# KiCad board 4servoboard-4x4.kicad_pcb (continued)
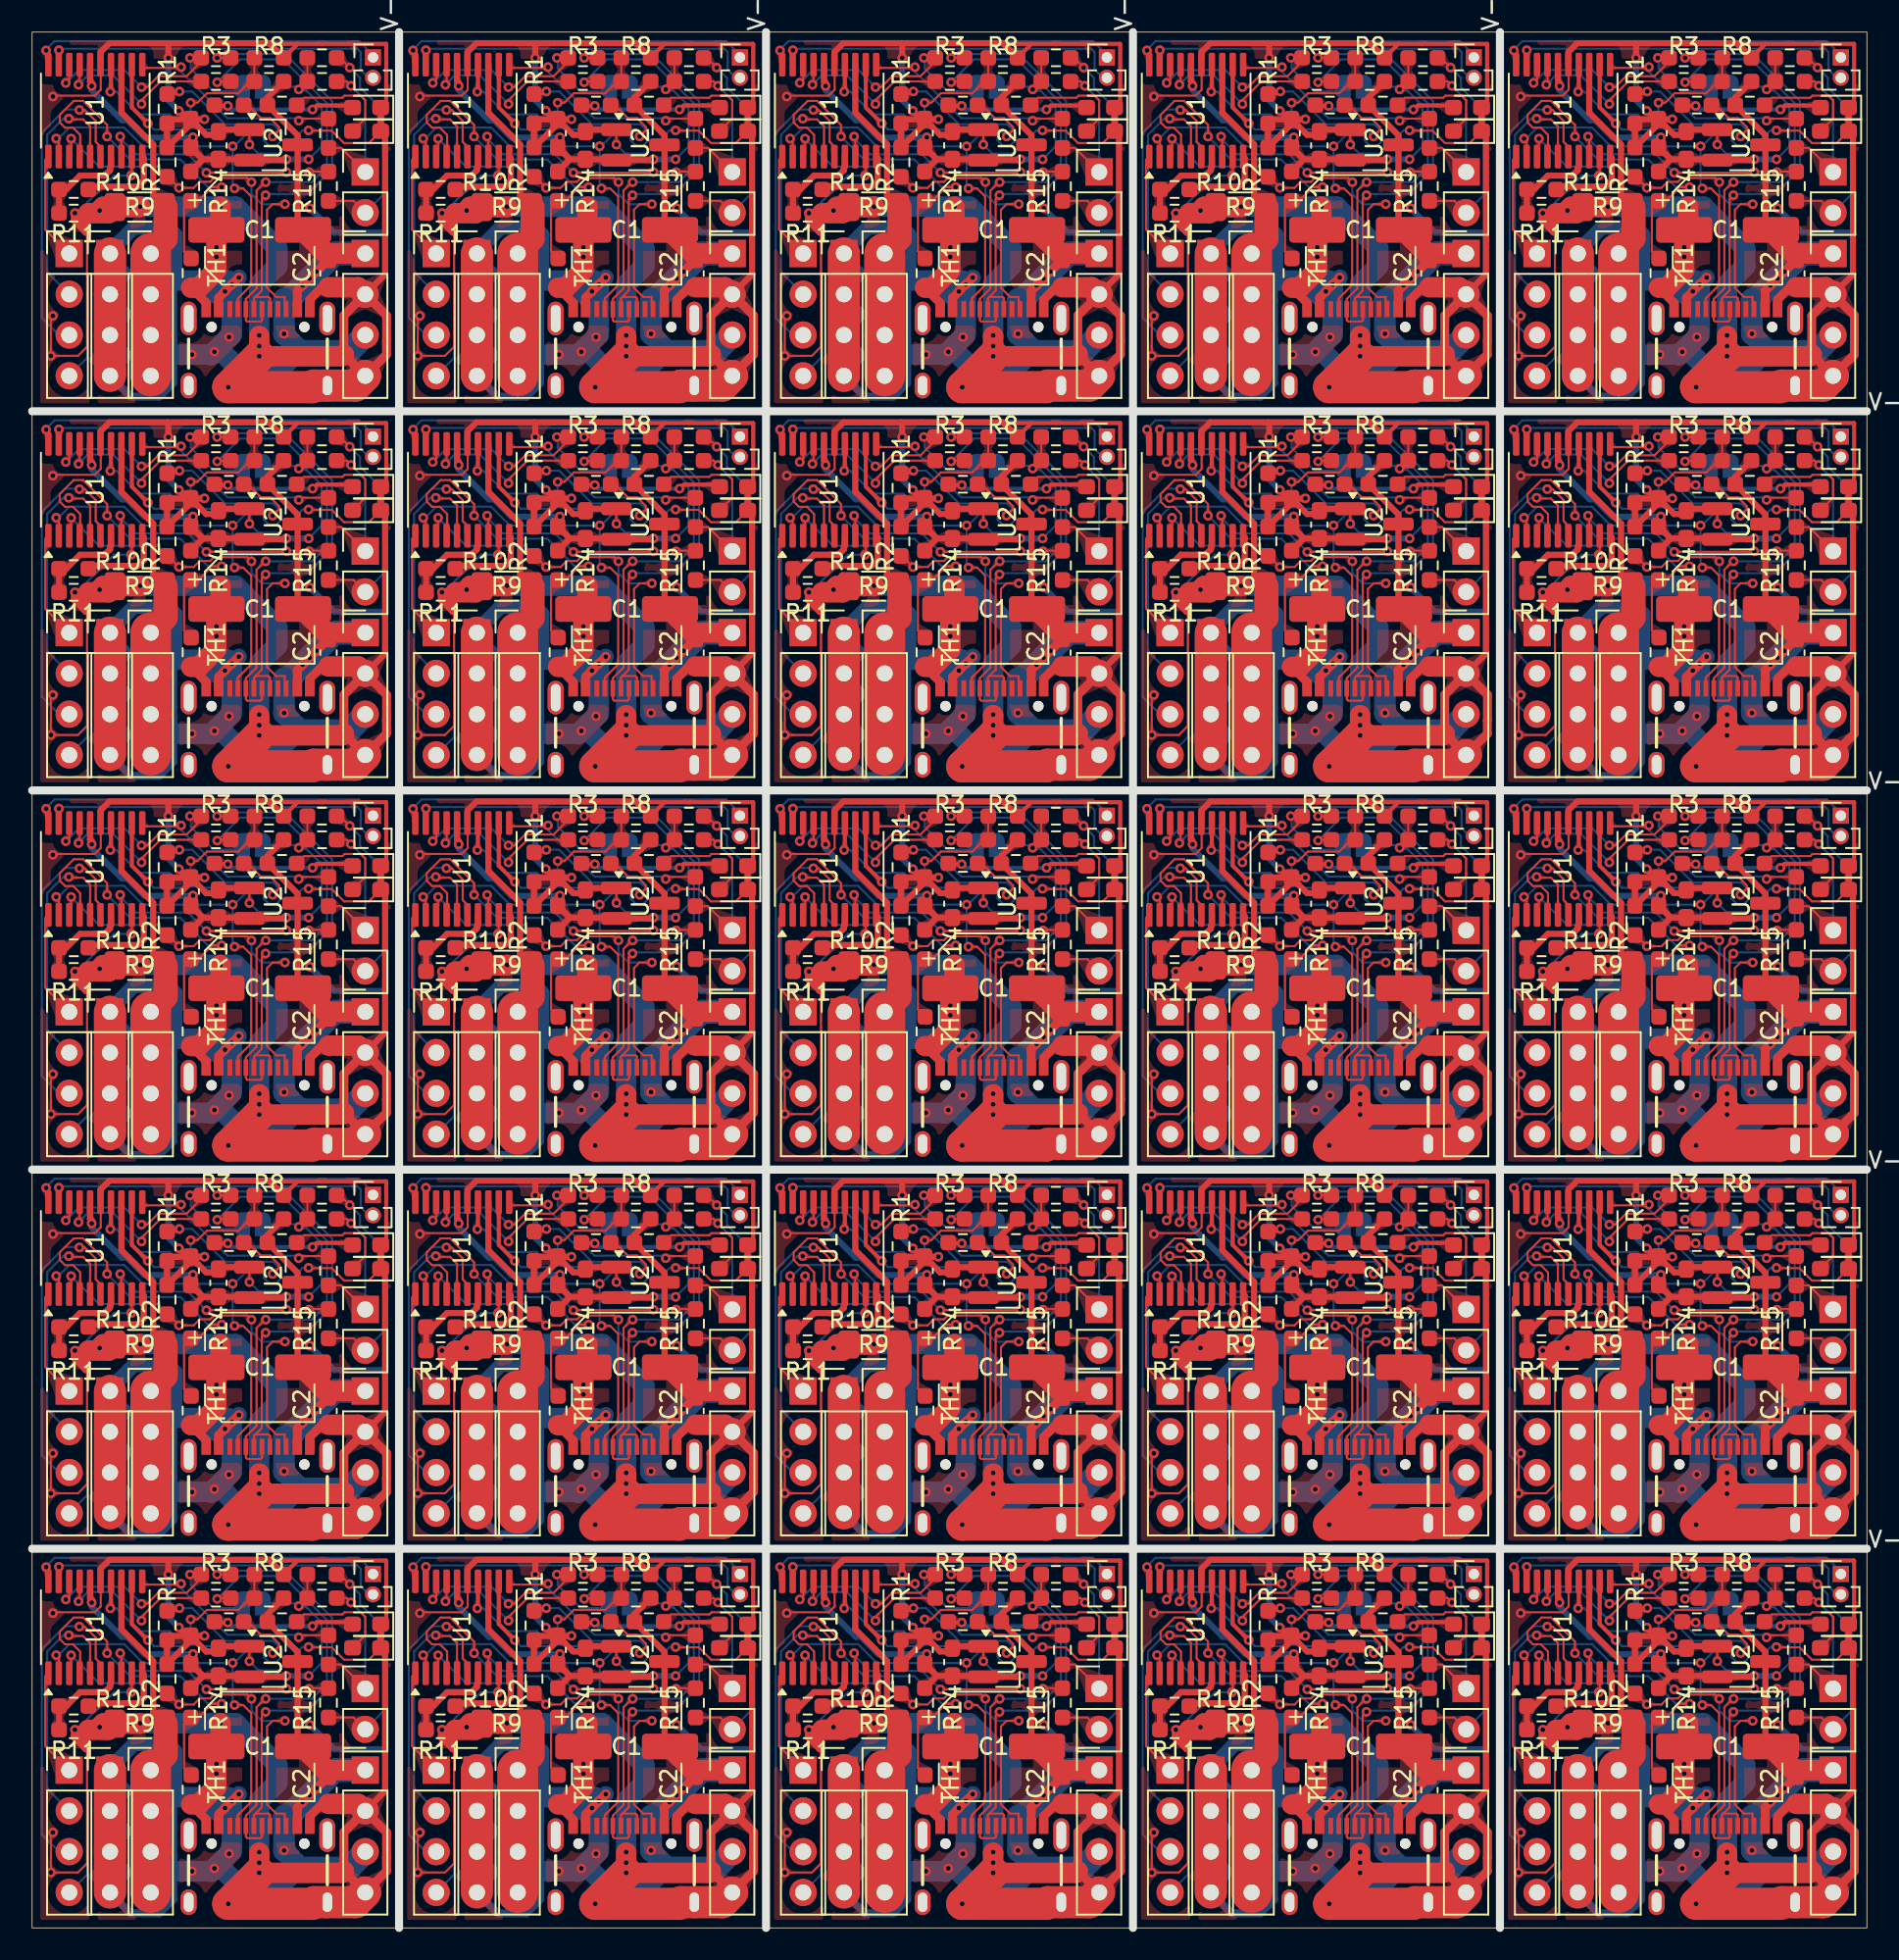
[diagram p0: board, top side]
## Routing (per net, layer and track width the routed paths; a pad name or vN(x,y) marks a point on that pad's centre or on a via; arc(x,y) is an arc through that point) (continued)
  Top w0.5: 2.67,106.37 v1(2.67,106.83) R11#10.2 ; 2.67,106.37 2.77,106.27 3.34,106.83 R11#10.2 ; 2.67,106.37 3.37,105.67 3.37,106.7 R11#10.2 ; R11#2.2 49.09,35.83 49.09,34.81 48.39,35.51 ; R11#2.2 v1(48.39,35.97) 48.39,35.51 ; R11#2.2 49.06,35.97 48.49,35.4 48.39,35.51 ; R11#19.2 v1(25.53,12.34) 25.53,11.89 ; R11#19.2 26.23,12.21 26.23,11.18 25.53,11.89 ; R11#19.2 26.2,12.34 25.63,11.78 25.53,11.89 ; 25.53,35.51 v1(25.53,35.97) R11#17.2 ; 25.53,35.51 26.23,34.81 26.23,35.83 R11#17.2 ; 25.53,35.51 25.63,35.4 26.2,35.97 R11#17.2 ; 71.25,106.37 v1(71.25,106.83) R11#15.2 ; 71.25,106.37 71.95,105.67 71.95,106.7 R11#15.2 ; 71.25,106.37 71.35,106.27 71.92,106.83 R11#15.2 ; 48.39,106.37 v1(48.39,106.83) R11#22.2 ; 48.39,106.37 48.49,106.27 49.06,106.83 R11#22.2 ; 48.39,106.37 49.09,105.67 49.09,106.7 R11#22.2 ; R11#16.2 3.34,83.21 2.77,82.65 2.67,82.75 ; R11#16.2 v1(2.67,83.21) 2.67,82.75 ; R11#16.2 3.37,83.07 3.37,82.05 2.67,82.75 ; R11.2 49.06,12.34 48.49,11.78 48.39,11.89 ; R11.2 49.09,12.21 49.09,11.18 48.39,11.89 ; R11.2 v1(48.39,12.34) 48.39,11.89 ; R11#24.2 49.06,83.21 48.49,82.65 48.39,82.75 ; R11#24.2 v1(48.39,83.21) 48.39,82.75 ; R11#24.2 49.09,83.07 49.09,82.05 48.39,82.75 ; R11#3.2 v1(48.39,59.59) 48.39,59.13 ; R11#3.2 49.09,59.45 49.09,58.43 48.39,59.13 ; R11#3.2 49.06,59.59 48.49,59.02 48.39,59.13 ; R11#12.2 3.37,35.83 3.37,34.81 2.67,35.51 ; R11#12.2 3.34,35.97 2.77,35.4 2.67,35.51 ; R11#12.2 v1(2.67,35.97) 2.67,35.51 ; 25.53,82.75 26.23,82.05 26.23,83.07 R11#13.2 ; 25.53,82.75 25.63,82.65 26.2,83.21 R11#13.2 ; 25.53,82.75 v1(25.53,83.21) R11#13.2 ; R11#18.2 26.2,106.83 25.63,106.27 25.53,106.37 ; R11#18.2 v1(25.53,106.83) 25.53,106.37 ; R11#18.2 26.23,106.7 26.23,105.67 25.53,106.37 ; 71.25,59.13 71.95,58.43 71.95,59.45 R11#23.2 ; 71.25,59.13 v1(71.25,59.59) R11#23.2 ; 71.25,59.13 71.35,59.02 71.92,59.59 R11#23.2 ; 94.11,82.75 94.21,82.65 94.78,83.21 R11#7.2 ; 94.11,82.75 94.81,82.05 94.81,83.07 R11#7.2 ; 94.11,82.75 v1(94.11,83.21) R11#7.2 ; 94.11,106.37 94.21,106.27 94.78,106.83 R11#4.2 ; 94.11,106.37 v1(94.11,106.83) R11#4.2 ; 94.11,106.37 94.81,105.67 94.81,106.7 R11#4.2 ; R11#14.2 71.92,12.34 71.35,11.78 71.25,11.89 ; R11#14.2 v1(71.25,12.34) 71.25,11.89 ; R11#14.2 71.95,12.21 71.95,11.18 71.25,11.89 ; R11#8.2 v1(94.11,59.59) 94.11,59.13 ; R11#8.2 94.81,59.45 94.81,58.43 94.11,59.13 ; R11#8.2 94.78,59.59 94.21,59.02 94.11,59.13 ; 71.25,35.51 v1(71.25,35.97) R11#9.2 ; 71.25,35.51 71.95,34.81 71.95,35.83 R11#9.2 ; 71.25,35.51 71.35,35.4 71.92,35.97 R11#9.2 ; R11#5.2 94.78,35.97 94.21,35.4 94.11,35.51 ; R11#5.2 v1(94.11,35.97) 94.11,35.51 ; R11#5.2 94.81,35.83 94.81,34.81 94.11,35.51 ; 71.25,82.75 v1(71.25,83.21) R11#6.2 ; 71.25,82.75 71.35,82.65 71.92,83.21 R11#6.2 ; 71.25,82.75 71.95,82.05 71.95,83.07 R11#6.2 ; R11#11.2 26.23,59.45 26.23,58.43 25.53,59.13 ; R11#11.2 v1(25.53,59.59) 25.53,59.13 ; R11#11.2 26.2,59.59 25.63,59.02 25.53,59.13 ; R11#20.2 3.34,12.34 2.77,11.78 2.67,11.89 ; R11#20.2 v1(2.67,12.34) 2.67,11.89 ; R11#20.2 3.37,12.21 3.37,11.18 2.67,11.89 ; 2.67,59.13 3.37,58.43 3.37,59.45 R11#21.2 ; 2.67,59.13 2.77,59.02 3.34,59.59 R11#21.2 ; 2.67,59.13 v1(2.67,59.59) R11#21.2 ; R11#25.2 v1(94.11,12.34) 94.11,11.89 ; R11#25.2 94.81,12.21 94.81,11.18 94.11,11.89 ; R11#25.2 94.78,12.34 94.21,11.78 94.11,11.89
  Top w0.55: TH1#3.2 10.85,77.62 J1#17.GND ; J1#14.GND 102.29,30.38 TH1#14.2 ; J1#24.GND 56.57,77.62 TH1#5.2 ; C2#20.1 18.06,102.21 17.3,101.45 J1#8.GND ; J1.GND 79.43,6.76 TH1.2 ; C2#5.1 109.5,78.59 108.74,77.82 J1#23.GND ; TH1#2.2 10.85,54 J1#19.GND ; J1#3.GND 79.43,54 TH1#21.2 ; J1#22.GND 63.02,54.2 63.78,54.97 C2#23.1 ; C2#4.1 86.64,31.35 85.88,30.58 J1#5.GND ; J1#23.GND 102.29,77.62 TH1#17.2 ; J1#7.GND 17.3,30.58 18.06,31.35 C2#6.1 ; J1#15.GND 63.02,6.96 63.78,7.72 C2#21.1 ; C2#19.1 40.92,7.72 40.16,6.96 J1#2.GND ; J1#24.GND 63.02,77.82 63.78,78.59 C2#13.1 ; J1#9.GND 40.16,30.58 40.92,31.35 C2#8.1 ; J1#17.GND 17.3,77.82 18.06,78.59 C2#10.1 ; J1#6.GND 79.43,101.24 TH1#16.2 ; TH1#9.2 33.71,77.62 J1#18.GND ; TH1#22.2 102.29,6.76 J1#21.GND ; C2#17.1 109.5,102.21 108.74,101.45 J1#25.GND ; C2#15.1 109.5,31.35 108.74,30.58 J1#14.GND ; TH1#18.2 56.57,101.24 J1#11.GND ; C2#7.1 18.06,54.97 17.3,54.2 J1#19.GND ; TH1#11.2 33.71,6.76 J1#2.GND ; J1.GND 85.88,6.96 86.64,7.72 C2#9.1 ; J1#12.GND 40.16,54.2 40.92,54.97 C2#3.1 ; J1#21.GND 108.74,6.96 109.5,7.72 C2.1 ; J1#9.GND 33.71,30.38 TH1#4.2 ; TH1#15.2 33.71,54 J1#12.GND ; J1#18.GND 40.16,77.82 40.92,78.59 C2#2.1 ; C2#11.1 63.78,102.21 63.02,101.45 J1#11.GND ; TH1#13.2 56.57,54 J1#22.GND ; J1#20.GND 56.57,30.38 TH1#6.2 ; J1#20.GND 63.02,30.58 63.78,31.35 C2#24.1 ; C2#18.1 18.06,7.72 17.3,6.96 J1#16.GND ; J1#15.GND 56.57,6.76 TH1#25.2 ; J1#10.GND 102.29,54 TH1#10.2 ; TH1#7.2 102.29,101.24 J1#25.GND ; C2#22.1 86.64,78.59 85.88,77.82 J1#4.GND ; J1#5.GND 79.43,30.38 TH1#24.2 ; J1#13.GND 40.16,101.45 40.92,102.21 C2#25.1 ; J1#4.GND 79.43,77.62 TH1#12.2 ; C2#14.1 86.64,102.21 85.88,101.45 J1#6.GND ; TH1#23.2 10.85,6.76 J1#16.GND ; J1#10.GND 108.74,54.2 109.5,54.97 C2#12.1 ; J1#7.GND 10.85,30.38 TH1#20.2 ; TH1#19.2 33.71,101.24 J1#13.GND ; J1#3.GND 85.88,54.2 86.64,54.97 C2#16.1 ; J1#8.GND 10.85,101.24 TH1#8.2 ; 90.66,4.38 90.66,5.96 J6#21.2 88.01,5.96 88.01,3.54 J6#21.4 90.66,3.54 90.66,4.37 90.66,4.38 ; 110.87,27.16 110.87,29.59 J6#6.2 113.52,29.58 113.52,28 113.52,28 113.52,27.16 J6#6.4 110.87,27.16 ; 44.94,27.16 44.94,28 44.94,28 44.94,29.58 J6#22.2 42.29,29.59 42.29,27.16 J6#22.4 44.94,27.16 ; 44.94,100.45 J6#16.2 42.29,100.45 42.29,98.02 J6#16.4 44.94,98.02 44.94,98.86 44.94,98.87 44.94,100.45 ; 42.29,5.96 J6#3.2 44.94,5.96 44.94,4.38 44.94,4.37 44.94,3.54 J6#3.4 42.29,3.54 42.29,5.96 ; 67.8,53.2 J6#9.2 65.15,53.21 65.15,50.78 J6#9.4 67.8,50.78 67.8,51.62 67.8,51.62 67.8,53.2 ; 113.52,5.96 J6#25.2 110.87,5.96 110.87,3.54 J6#25.4 113.52,3.54 113.52,4.37 113.52,4.38 113.52,5.96 ; J6#10.4 22.08,3.54 22.08,4.37 22.08,4.38 22.08,5.96 J6#10.2 19.43,5.96 19.43,3.54 J6#10.4 ; 113.52,53.2 J6#20.2 110.87,53.21 110.87,50.78 J6#20.4 113.52,50.78 113.52,51.62 113.52,51.62 113.52,53.2 ; 44.94,51.62 44.94,51.62 44.94,53.2 J6#19.2 42.29,53.21 42.29,50.78 J6#19.4 44.94,50.78 44.94,51.62 ; J6#4.4 67.8,74.4 67.8,75.24 67.8,75.25 67.8,76.82 J6#4.2 65.15,76.83 65.15,74.4 J6#4.4 ; J6.4 88.01,98.02 88.01,100.45 J6.2 90.66,100.45 90.66,98.87 90.66,98.86 90.66,98.02 J6.4 ; 22.08,98.86 22.08,98.87 22.08,100.45 J6#7.2 19.43,100.45 19.43,98.02 J6#7.4 22.08,98.02 22.08,98.86 ; 113.52,98.86 113.52,98.87 113.52,100.45 J6#11.2 110.87,100.45 110.87,98.02 J6#11.4 113.52,98.02 113.52,98.86 ; J6#12.4 88.01,50.78 88.01,53.21 J6#12.2 90.66,53.2 90.66,51.62 90.66,51.62 90.66,50.78 J6#12.4 ; 22.08,76.82 J6#23.2 19.43,76.83 19.43,74.4 J6#23.4 22.08,74.4 22.08,75.24 22.08,75.25 22.08,76.82 ; 44.94,75.25 44.94,76.82 J6#24.2 42.29,76.83 42.29,74.4 J6#24.4 44.94,74.4 44.94,75.24 44.94,75.25 ; 113.52,76.82 J6#17.2 110.87,76.83 110.87,74.4 J6#17.4 113.52,74.4 113.52,75.24 113.52,75.25 113.52,76.82 ; 67.8,98.87 67.8,100.45 J6#14.2 65.15,100.45 65.15,98.02 J6#14.4 67.8,98.02 67.8,98.86 67.8,98.87 ; 88.01,29.59 J6#2.2 90.66,29.58 90.66,28 90.66,28 90.66,27.16 J6#2.4 88.01,27.16 88.01,29.59 ; J6#15.4 90.66,74.4 90.66,75.24 90.66,75.25 90.66,76.82 J6#15.2 88.01,76.83 88.01,74.4 J6#15.4 ; J6#13.4 67.8,3.54 67.8,4.37 67.8,4.38 67.8,5.96 J6#13.2 65.15,5.96 65.15,3.54 J6#13.4 ; 22.08,29.58 J6#18.2 19.43,29.59 19.43,27.16 J6#18.4 22.08,27.16 22.08,28 22.08,28 22.08,29.58 ; 67.8,29.58 J6#8.2 65.15,29.59 65.15,27.16 J6#8.4 67.8,27.16 67.8,28 67.8,28 67.8,29.58 ; 22.08,51.62 22.08,53.2 J6#5.2 19.43,53.21 19.43,50.78 J6#5.4 22.08,50.78 22.08,51.62 22.08,51.62
  Top w1.27: 42.29,98.02 42.18,97.92 v1(37.01,97.92) v1(37.01,98.55) 37.01,99.18 ; v1(72.79,12.51) 73.01,12.73 ; 73.01,12.73 v1(74.73,12.73) 75.29,12.73 v1(75.31,12.75) ; 73.01,12.73 R9#22.2 73.35,12.34 R11#14.2 ; v1(57.45,107.24) 57.45,106.05 C1#18.1 57.2,103.28 56.1,102.18 TH1#18.2 ; v1(52.45,59.99) 52.43,59.97 v1(51.87,59.97) 50.15,59.97 ; 88.01,27.16 87.9,27.05 v1(82.73,27.05) v1(82.73,27.69) 82.73,28.31 ; 73.01,59.97 R9#15.2 73.35,59.59 R11#23.2 ; 73.01,59.97 v1(74.73,59.97) 75.29,59.97 v1(75.31,59.99) ; 73.01,59.97 v1(72.79,59.75) ; 59.87,51.94 v1(59.87,51.31) v1(59.87,50.67) 65.04,50.67 65.15,50.78 ; 27.29,83.59 v1(29.01,83.59) 29.57,83.59 v1(29.59,83.62) ; 27.29,83.59 v1(27.07,83.37) ; 27.29,83.59 R9#16.2 27.63,83.21 R11#13.2 ; 95.87,36.35 R9#8.2 96.21,35.97 R11#5.2 ; 95.87,36.35 v1(95.65,36.13) ; 95.87,36.35 v1(97.59,36.35) 98.15,36.35 v1(98.17,36.37) ; 82.73,51.94 v1(82.73,51.31) v1(82.73,50.67) 87.9,50.67 88.01,50.78 ; 95.87,107.21 R9#25.2 96.21,106.83 R11#4.2 ; 95.87,107.21 v1(95.65,106.99) ; 95.87,107.21 v1(97.59,107.21) 98.15,107.21 v1(98.17,107.24) ; 19.43,74.4 19.32,74.3 v1(14.15,74.3) v1(14.15,74.93) 14.15,75.56 ; J6.2 88.9,102.21 C2#14.1 ; 50.15,107.21 v1(51.87,107.21) 52.43,107.21 v1(52.45,107.24) ; 50.15,107.21 v1(49.93,106.99) ; 50.15,107.21 R9#6.2 50.49,106.83 R11#22.2 ; v1(75.31,107.24) 75.29,107.21 v1(74.73,107.21) 73.01,107.21 ; J6#17.2 111.76,78.59 C2#5.1 ; 95.87,59.97 v1(97.59,59.97) 98.15,59.97 v1(98.17,59.99) ; 95.87,59.97 v1(95.65,59.75) ; 95.87,59.97 R9.2 96.21,59.59 R11#8.2 ; v1(72.79,83.37) 73.01,83.59 ; 73.01,83.59 R9#19.2 73.35,83.21 R11#6.2 ; 73.01,83.59 v1(74.73,83.59) 75.29,83.59 v1(75.31,83.62) ; v1(98.17,12.75) 98.15,12.73 v1(97.59,12.73) 95.87,12.73 ; C2.1 111.76,7.72 J6#25.2 ; 50.15,83.59 R9#18.2 50.49,83.21 R11#24.2 ; 50.15,83.59 v1(51.87,83.59) 52.43,83.59 v1(52.45,83.62) ; 50.15,83.59 v1(49.93,83.37) ; 27.29,59.97 R9#10.2 27.63,59.59 R11#11.2 ; 27.29,59.97 v1(27.07,59.75) ; 27.29,59.97 v1(29.01,59.97) 29.57,59.97 v1(29.59,59.99) ; 19.43,50.78 19.32,50.67 v1(14.15,50.67) v1(14.15,51.31) 14.15,51.94 ; 42.29,74.4 42.18,74.3 v1(37.01,74.3) v1(37.01,74.93) 37.01,75.56 ; TH1#22.2 101.82,7.7 102.92,8.8 C1#24.1 103.17,11.56 v1(103.17,12.75) ; J6#13.2 66.04,7.72 C2#21.1 ; 65.15,98.02 65.04,97.92 v1(59.87,97.92) v1(59.87,98.55) 59.87,99.18 ; TH1#19.2 33.24,102.18 34.34,103.28 C1#20.1 34.59,106.05 v1(34.59,107.24) ; R11#15.2 73.35,106.83 R9#24.2 73.01,107.21 ; 65.15,3.54 65.04,3.43 v1(59.87,3.43) v1(59.87,4.06) 59.87,4.69 ; v1(49.93,59.75) 50.15,59.97 ; 50.15,59.97 R9#5.2 50.49,59.59 R11#3.2 ; TH1#7.2 101.82,102.18 102.92,103.28 C1#8.1 103.17,106.05 v1(103.17,107.24) ; v1(6.73,36.37) 6.71,36.35 v1(6.15,36.35) 4.43,36.35 ; C2#2.1 43.18,78.59 J6#24.2 ; TH1#25.2 56.1,7.7 57.2,8.8 C1#19.1 57.45,11.56 v1(57.45,12.75) ; C2#19.1 43.18,7.72 J6#3.2 ; 65.15,74.4 65.04,74.3 v1(59.87,74.3) v1(59.87,74.93) 59.87,75.56 ; R11.2 50.49,12.34 R9#23.2 50.15,12.73 ; 4.43,12.73 v1(6.15,12.73) 6.71,12.73 v1(6.73,12.75) ; 4.43,12.73 R9#14.2 4.77,12.34 R11#20.2 ; 4.43,12.73 v1(4.21,12.51) ; v1(80.31,36.37) 80.31,35.18 C1#6.1 80.06,32.42 78.96,31.32 TH1#24.2 ; C2#18.1 20.32,7.72 J6#10.2 ; 19.43,3.54 19.32,3.43 v1(14.15,3.43) v1(14.15,4.06) 14.15,4.69 ; 95.87,83.59 v1(97.59,83.59) 98.15,83.59 v1(98.17,83.62) ; 95.87,83.59 R9#2.2 96.21,83.21 R11#7.2 ; 95.87,83.59 v1(95.65,83.37) ; v1(29.59,12.75) 29.57,12.73 v1(29.01,12.73) 27.29,12.73 ; J6#4.2 66.04,78.59 C2#13.1 ; 50.15,36.35 R9#4.2 50.49,35.97 R11#2.2 ; 50.15,36.35 v1(49.93,36.13) ; 50.15,36.35 v1(51.87,36.35) 52.43,36.35 v1(52.45,36.37) ; 37.01,4.69 v1(37.01,4.06) v1(37.01,3.43) 42.18,3.43 42.29,3.54 ; R11#19.2 27.63,12.34 R9#11.2 27.29,12.73 ; TH1#5.2 56.1,78.56 57.2,79.66 C1#16.1 57.45,82.42 v1(57.45,83.62) ; C2#6.1 20.32,31.35 J6#18.2 ; TH1#11.2 33.24,7.7 34.34,8.8 C1#3.1 34.59,11.56 v1(34.59,12.75) ; 73.01,36.35 v1(74.73,36.35) 75.29,36.35 v1(75.31,36.37) ; 73.01,36.35 v1(72.79,36.13) ; 73.01,36.35 R9#7.2 73.35,35.97 R11#9.2 ; v1(11.73,36.37) 11.73,35.18 C1#14.1 11.48,32.42 10.38,31.32 TH1#20.2 ; C2#25.1 43.18,102.21 J6#16.2 ; v1(80.31,59.99) 80.31,58.8 C1#22.1 80.06,56.04 78.96,54.94 TH1#21.2 ; v1(57.45,59.99) 57.45,58.8 C1#7.1 57.2,56.04 56.1,54.94 TH1#13.2 ; C2#7.1 20.32,54.97 J6#5.2 ; v1(80.31,12.75) 80.31,11.56 C1#25.1 80.06,8.8 78.96,7.7 TH1.2 ; v1(80.31,83.62) 80.31,82.42 C1#9.1 80.06,79.66 78.96,78.56 TH1#12.2 ; 88.01,3.54 87.9,3.43 v1(82.73,3.43) v1(82.73,4.06) 82.73,4.69 ; 42.29,50.78 42.18,50.67 v1(37.01,50.67) v1(37.01,51.31) 37.01,51.94 ; 95.87,12.73 R9#3.2 96.21,12.34 R11#25.2 ; 95.87,12.73 v1(95.65,12.51) ; J6#12.2 88.9,54.97 C2#16.1 ; C2#3.1 43.18,54.97 J6#19.2 ; 105.59,4.69 v1(105.59,4.06) v1(105.59,3.43) 110.76,3.43 110.87,3.54 ; C2#22.1 88.9,78.59 J6#15.2 ; v1(11.73,83.62) 11.73,82.42 C1#15.1 11.48,79.66 10.38,78.56 TH1#3.2 ; v1(34.59,36.37) 34.59,35.18 C1#2.1 34.34,32.42 33.24,31.32 TH1#4.2 ; TH1#17.2 101.82,78.56 102.92,79.66 C1#13.1 103.17,82.42 v1(103.17,83.62) ; C2#4.1 88.9,31.35 J6#2.2 ; 50.15,12.73 v1(51.87,12.73) 52.43,12.73 v1(52.45,12.75) ; 50.15,12.73 v1(49.93,12.51) ; 4.43,59.97 v1(6.15,59.97) 6.71,59.97 v1(6.73,59.99) ; 4.43,59.97 R9#9.2 4.77,59.59 R11#21.2 ; 4.43,59.97 v1(4.21,59.75) ; TH1#6.2 56.1,31.32 57.2,32.42 C1.1 57.45,35.18 v1(57.45,36.37) ; v1(4.21,106.99) 4.43,107.21 ; 4.43,107.21 v1(6.15,107.21) 6.71,107.21 v1(6.73,107.24) ; 4.43,107.21 R9#17.2 4.77,106.83 R11#10.2 ; 27.29,12.73 v1(27.07,12.51) ; 14.15,28.31 v1(14.15,27.69) v1(14.15,27.05) 19.32,27.05 19.43,27.16 ; J6#21.2 88.9,7.72 C2#9.1 ; 82.73,99.18 v1(82.73,98.55) v1(82.73,97.92) 87.9,97.92 88.01,98.02 ; 105.59,99.18 v1(105.59,98.55) v1(105.59,97.92) 110.76,97.92 110.87,98.02 ; TH1#23.2 10.38,7.7 11.48,8.8 C1#10.1 11.73,11.56 v1(11.73,12.75) ; v1(29.59,107.24) 29.57,107.21 v1(29.01,107.21) 27.29,107.21 ; TH1#15.2 33.24,54.94 34.34,56.04 C1#11.1 34.59,58.8 v1(34.59,59.99) ; 88.01,74.4 87.9,74.3 v1(82.73,74.3) v1(82.73,74.93) 82.73,75.56 ; R11#16.2 4.77,83.21 R9#12.2 4.43,83.59 ; 27.29,36.35 v1(29.01,36.35) 29.57,36.35 v1(29.59,36.37) ; 27.29,36.35 v1(27.07,36.13) ; 27.29,36.35 R9#20.2 27.63,35.97 R11#17.2 ; J6#14.2 66.04,102.21 C2#11.1 ; J6#9.2 66.04,54.97 C2#23.1 ; 73.01,107.21 v1(72.79,106.99) ; v1(27.07,106.99) 27.29,107.21 ; 27.29,107.21 R9#21.2 27.63,106.83 R11#18.2 ; v1(103.17,59.99) 103.17,58.8 C1#21.1 102.92,56.04 101.82,54.94 TH1#10.2 ; 105.59,28.31 v1(105.59,27.69) v1(105.59,27.05) 110.76,27.05 110.87,27.16 ; TH1#16.2 78.96,102.18 80.06,103.28 C1#12.1 80.31,106.05 v1(80.31,107.24) ; R11#12.2 4.77,35.97 R9#13.2 4.43,36.35 ; 4.43,36.35 v1(4.21,36.13) ; 37.01,28.31 v1(37.01,27.69) v1(37.01,27.05) 42.18,27.05 42.29,27.16 ; J6#8.2 66.04,31.35 C2#24.1 ; 110.87,50.78 110.76,50.67 v1(105.59,50.67) v1(105.59,51.31) 105.59,51.94 ; J6#11.2 111.76,102.21 C2#17.1 ; v1(11.73,59.99) 11.73,58.8 C1#17.1 11.48,56.04 10.38,54.94 TH1#2.2 ; C2#8.1 43.18,31.35 J6#22.2 ; v1(4.21,83.37) 4.43,83.59 ; 4.43,83.59 v1(6.15,83.59) 6.71,83.59 v1(6.73,83.62) ; v1(34.59,83.62) 34.59,82.42 C1#5.1 34.34,79.66 33.24,78.56 TH1#9.2 ; J6#6.2 111.76,31.35 C2#15.1 ; J6#7.2 20.32,102.21 C2#20.1 ; J6#20.2 111.76,54.97 C2#12.1 ; 59.87,28.31 v1(59.87,27.69) v1(59.87,27.05) 65.04,27.05 65.15,27.16 ; J6#23.2 20.32,78.59 C2#10.1 ; 14.15,99.18 v1(14.15,98.55) v1(14.15,97.92) 19.32,97.92 19.43,98.02 ; TH1#8.2 10.38,102.18 11.48,103.28 C1#4.1 11.73,106.05 v1(11.73,107.24) ; 105.59,75.56 v1(105.59,74.93) v1(105.59,74.3) 110.76,74.3 110.87,74.4 ; v1(103.17,36.37) 103.17,35.18 C1#23.1 102.92,32.42 101.82,31.32 TH1#14.2
  Top w2: J6#14.4 65.86,96.09 J1#11.S 63.27,96.09 63.17,95.99 v1(57.94,95.99) v1(59.87,97.92) ; J6#24.4 43,72.47 J1#18.S 40.41,72.47 40.31,72.37 v1(35.08,72.37) v1(37.01,74.3) ; v1(82.73,3.43) v1(80.8,1.5) 86.03,1.5 86.13,1.6 J1.S 88.72,1.6 J6#21.4 ; v1(14.15,27.05) v1(12.22,25.12) 17.45,25.12 17.55,25.22 J1#7.S 20.14,25.22 J6#18.4 ; J6#7.4 20.14,96.09 J1#8.S 17.55,96.09 17.45,95.99 v1(12.22,95.99) v1(14.15,97.92) ; v1(14.15,74.3) v1(12.22,72.37) 17.45,72.37 17.55,72.47 J1#17.S 20.14,72.47 J6#23.4 ; v1(59.87,74.3) v1(57.94,72.37) 63.17,72.37 63.27,72.47 J1#24.S 65.86,72.47 J6#4.4 ; v1(82.73,97.92) v1(80.8,95.99) 86.03,95.99 86.13,96.09 J1#6.S 88.72,96.09 J6.4 ; J6#8.4 65.86,25.22 J1#20.S 63.27,25.22 63.17,25.12 v1(57.94,25.12) v1(59.87,27.05) ; v1(105.59,74.3) v1(103.66,72.37) 108.89,72.37 108.99,72.47 J1#23.S 111.58,72.47 J6#17.4 ; v1(82.73,74.3) v1(80.8,72.37) 86.03,72.37 86.13,72.47 J1#4.S 88.72,72.47 J6#15.4 ; v1(37.01,27.05) v1(35.08,25.12) 40.31,25.12 40.41,25.22 J1#9.S 43,25.22 J6#22.4 ; J6#11.4 111.58,96.09 J1#25.S 108.99,96.09 108.89,95.99 v1(103.66,95.99) v1(105.59,97.92) ; v1(59.87,50.67) v1(57.94,48.75) 63.17,48.75 63.27,48.84 J1#22.S 65.86,48.84 J6#9.4 ; v1(14.15,50.67) v1(12.22,48.75) 17.45,48.75 17.55,48.84 J1#19.S 20.14,48.84 J6#5.4 ; v1(105.59,3.43) v1(103.66,1.5) 108.89,1.5 108.99,1.6 J1#21.S 111.58,1.6 J6#25.4 ; v1(82.73,27.05) v1(80.8,25.12) 86.03,25.12 86.13,25.22 J1#5.S 88.72,25.22 J6#2.4 ; v1(37.01,97.92) v1(35.08,95.99) 40.31,95.99 40.41,96.09 J1#13.S 43,96.09 J6#16.4 ; v1(82.73,50.67) v1(80.8,48.75) 86.03,48.75 86.13,48.84 J1#3.S 88.72,48.84 J6#12.4 ; J6#13.4 65.86,1.6 J1#15.S 63.27,1.6 63.17,1.5 v1(57.94,1.5) v1(59.87,3.43) ; J6#10.4 20.14,1.6 J1#16.S 17.55,1.6 17.45,1.5 v1(12.22,1.5) v1(14.15,3.43) ; J6#6.4 111.58,25.22 J1#14.S 108.99,25.22 108.89,25.12 v1(103.66,25.12) v1(105.59,27.05) ; J6#19.4 43,48.84 J1#12.S 40.41,48.84 40.31,48.75 v1(35.08,48.75) v1(37.01,50.67) ; J6#3.4 43,1.6 J1#2.S 40.41,1.6 40.31,1.5 v1(35.08,1.5) v1(37.01,3.43) ; J6#20.4 111.58,48.84 J1#10.S 108.99,48.84 108.89,48.75 v1(103.66,48.75) v1(105.59,50.67)
  Bottom w0.127: v1(40.08,111.99) 39.71,111.99 38.27,110.54 36.96,110.54 v1(36.4,111.1) ; v1(82.12,63.86) 82.68,63.3 83.99,63.3 85.43,64.74 v1(85.8,64.74) ; v1(59.26,87.48) 59.82,86.92 61.13,86.92 62.57,88.37 v1(62.94,88.37) ; v1(36.4,87.48) 36.96,86.92 38.27,86.92 39.71,88.37 v1(40.08,88.37) ; v1(17.22,17.5) 16.85,17.5 15.41,16.05 14.1,16.05 v1(13.54,16.61) ; v1(40.08,64.74) 39.71,64.74 38.27,63.3 36.96,63.3 v1(36.4,63.86) ; v1(13.54,40.23) 14.1,39.67 15.41,39.67 16.85,41.12 v1(17.22,41.12) ; v1(85.8,111.99) 85.43,111.99 83.99,110.54 82.68,110.54 v1(82.12,111.1) ; v1(82.12,16.61) 82.68,16.05 83.99,16.05 85.43,17.5 v1(85.8,17.5) ; v1(17.22,111.99) 16.85,111.99 15.41,110.54 14.1,110.54 v1(13.54,111.1) ; v1(108.66,41.12) 108.29,41.12 106.85,39.67 105.54,39.67 v1(104.98,40.23) ; v1(85.8,41.12) 85.43,41.12 83.99,39.67 82.68,39.67 v1(82.12,40.23) ; v1(104.98,87.48) 105.54,86.92 106.85,86.92 108.29,88.37 v1(108.66,88.37) ; v1(59.26,16.61) 59.82,16.05 61.13,16.05 62.57,17.5 v1(62.94,17.5) ; v1(62.94,41.12) 62.57,41.12 61.13,39.67 59.82,39.67 v1(59.26,40.23) ; v1(108.66,17.5) 108.29,17.5 106.85,16.05 105.54,16.05 v1(104.98,16.61) ; v1(59.26,63.86) 59.82,63.3 61.13,63.3 62.57,64.74 v1(62.94,64.74) ; v1(82.12,87.48) 82.68,86.92 83.99,86.92 85.43,88.37 v1(85.8,88.37) ; v1(13.54,87.48) 14.1,86.92 15.41,86.92 16.85,88.37 v1(17.22,88.37) ; v1(108.66,64.74) 108.29,64.74 106.85,63.3 105.54,63.3 v1(104.98,63.86) ; v1(40.08,41.12) 39.71,41.12 38.27,39.67 36.96,39.67 v1(36.4,40.23) ; v1(62.94,111.99) 62.57,111.99 61.13,110.54 59.82,110.54 v1(59.26,111.1) ; v1(17.22,64.74) 16.85,64.74 15.41,63.3 14.1,63.3 v1(13.54,63.86) ; v1(36.4,16.61) 36.96,16.05 38.27,16.05 39.71,17.5 v1(40.08,17.5) ; v1(104.98,111.1) 105.54,110.54 106.85,110.54 108.29,111.99 v1(108.66,111.99)
  Bottom w0.381: J6#11.2 113.43,103.02 113.43,105.56 113.38,105.62 110.26,105.62 v1(108.74,107.14) ; v1(8.48,92.88) 8.48,90.25 v1(9.14,89.59) ; v1(8.48,45.64) 8.48,43 v1(9.14,42.34) ; v1(54.2,116.51) 54.2,113.87 v1(54.86,113.21) ; v1(108.74,36.27) 110.26,34.75 113.38,34.75 113.43,34.69 113.43,32.15 J6#6.2 ; v1(99.92,69.26) 99.92,66.62 v1(100.58,65.96) ; v1(63.02,107.14) 64.54,105.62 67.66,105.62 67.71,105.56 67.71,103.02 J6#14.2 ; v1(100.58,18.72) 99.92,19.38 v1(99.92,22.02) ; v1(32,42.34) 31.34,43 v1(31.34,45.64) ; v1(17.3,59.89) 18.82,58.37 21.94,58.37 21.99,58.32 21.99,55.78 J6#5.2 ; v1(63.02,59.89) 64.54,58.37 67.66,58.37 67.71,58.32 67.71,55.78 J6#9.2 ; v1(54.2,69.26) 54.2,66.62 v1(54.86,65.96) ; v1(63.02,12.65) 64.54,11.13 67.66,11.13 67.71,11.07 67.71,8.53 J6#13.2 ; v1(8.48,22.02) 8.48,19.38 v1(9.14,18.72) ; J6#12.2 90.57,55.78 90.57,58.32 90.52,58.37 87.4,58.37 v1(85.88,59.89) ; v1(17.3,12.65) 18.82,11.13 21.94,11.13 21.99,11.07 21.99,8.53 J6#10.2 ; v1(63.02,36.27) 64.54,34.75 67.66,34.75 67.71,34.69 67.71,32.15 J6#8.2 ; J6#18.2 21.99,32.15 21.99,34.69 21.94,34.75 18.82,34.75 v1(17.3,36.27) ; v1(85.88,107.14) 87.4,105.62 90.52,105.62 90.57,105.56 90.57,103.02 J6.2 ; v1(85.88,83.52) 87.4,81.99 90.52,81.99 90.57,81.94 90.57,79.4 J6#15.2 ; v1(8.48,116.51) 8.48,113.87 v1(9.14,113.21) ; v1(99.92,116.51) 99.92,113.87 v1(100.58,113.21) ; J6#3.2 44.85,8.53 44.85,11.07 44.8,11.13 41.68,11.13 v1(40.16,12.65) ; v1(77.72,65.96) 77.06,66.62 v1(77.06,69.26) ; v1(77.72,42.34) 77.06,43 v1(77.06,45.64) ; v1(99.92,45.64) 99.92,43 v1(100.58,42.34) ; v1(108.74,83.52) 110.26,81.99 113.38,81.99 113.43,81.94 113.43,79.4 J6#17.2 ; v1(85.88,12.65) 87.4,11.13 90.52,11.13 90.57,11.07 90.57,8.53 J6#21.2 ; v1(32,113.21) 31.34,113.87 v1(31.34,116.51) ; J6#16.2 44.85,103.02 44.85,105.56 44.8,105.62 41.68,105.62 v1(40.16,107.14) ; J6#24.2 44.85,79.4 44.85,81.94 44.8,81.99 41.68,81.99 v1(40.16,83.52) ; v1(85.88,36.27) 87.4,34.75 90.52,34.75 90.57,34.69 90.57,32.15 J6#2.2 ; v1(77.72,18.72) 77.06,19.38 v1(77.06,22.02) ; v1(77.72,89.59) 77.06,90.25 v1(77.06,92.88) ; v1(108.74,12.65) 110.26,11.13 113.38,11.13 113.43,11.07 113.43,8.53 J6#25.2 ; v1(54.86,89.59) 54.2,90.25 v1(54.2,92.88) ; v1(32,65.96) 31.34,66.62 v1(31.34,69.26) ; J6#4.2 67.71,79.4 67.71,81.94 67.66,81.99 64.54,81.99 v1(63.02,83.52) ; v1(54.2,22.02) 54.2,19.38 v1(54.86,18.72) ; v1(40.16,59.89) 41.68,58.37 44.8,58.37 44.85,58.32 44.85,55.78 J6#19.2 ; J6#20.2 113.43,55.78 113.43,58.32 113.38,58.37 110.26,58.37 v1(108.74,59.89) ; v1(100.58,89.59) 99.92,90.25 v1(99.92,92.88) ; v1(77.06,116.51) 77.06,113.87 v1(77.72,113.21) ; v1(17.3,83.52) 18.82,81.99 21.94,81.99 21.99,81.94 21.99,79.4 J6#23.2 ; J6#7.2 21.99,103.02 21.99,105.56 21.94,105.62 18.82,105.62 v1(17.3,107.14) ; v1(54.86,42.34) 54.2,43 v1(54.2,45.64) ; J6#22.2 44.85,32.15 44.85,34.69 44.8,34.75 41.68,34.75 v1(40.16,36.27) ; v1(8.48,69.26) 8.48,66.62 v1(9.14,65.96) ; v1(32,89.59) 31.34,90.25 v1(31.34,92.88) ; v1(31.34,22.02) 31.34,19.38 v1(32,18.72)
  Bottom w1: v1(57.45,83.62) 57.2,83.36 v1(57.2,81.08) v1(57.2,80.48) ; v1(103.17,59.99) 102.92,59.74 v1(102.92,57.45) v1(102.92,56.86) ; v1(11.73,107.24) 11.48,106.98 v1(11.48,104.7) v1(11.48,104.1) ; v1(80.31,107.24) 80.06,106.98 v1(80.06,104.7) v1(80.06,104.1) ; v1(34.59,59.99) 34.34,59.74 v1(34.34,57.45) v1(34.34,56.86) ; v1(34.34,9.61) v1(34.34,10.21) 34.34,12.5 v1(34.59,12.75) ; v1(57.45,12.75) 57.2,12.5 v1(57.2,10.21) v1(57.2,9.61) ; v1(80.06,9.61) v1(80.06,10.21) 80.06,12.5 v1(80.31,12.75) ; v1(11.73,36.37) 11.48,36.12 v1(11.48,33.83) v1(11.48,33.24) ; v1(80.31,36.37) 80.06,36.12 v1(80.06,33.83) v1(80.06,33.24) ; v1(57.2,104.1) v1(57.2,104.7) 57.2,106.98 v1(57.45,107.24) ; v1(57.45,59.99) 57.2,59.74 v1(57.2,57.45) v1(57.2,56.86) ; v1(103.17,12.75) 102.92,12.5 v1(102.92,10.21) v1(102.92,9.61) ; v1(103.17,107.24) 102.92,106.98 v1(102.92,104.7) v1(102.92,104.1) ; v1(80.06,56.86) v1(80.06,57.45) 80.06,59.74 v1(80.31,59.99) ; v1(11.48,9.61) v1(11.48,10.21) 11.48,12.5 v1(11.73,12.75) ; v1(102.92,80.48) v1(102.92,81.08) 102.92,83.36 v1(103.17,83.62) ; v1(57.45,36.37) 57.2,36.12 v1(57.2,33.83) v1(57.2,33.24) ; v1(34.34,104.1) v1(34.34,104.7) 34.34,106.98 v1(34.59,107.24) ; v1(34.34,80.48) v1(34.34,81.08) 34.34,83.36 v1(34.59,83.62) ; v1(103.17,36.37) 102.92,36.12 v1(102.92,33.83) v1(102.92,33.24) ; v1(80.06,80.48) v1(80.06,81.08) 80.06,83.36 v1(80.31,83.62) ; v1(34.59,36.37) 34.34,36.12 v1(34.34,33.83) v1(34.34,33.24) ; v1(11.73,59.99) 11.48,59.74 v1(11.48,57.45) v1(11.48,56.86) ; v1(11.73,83.62) 11.48,83.36 v1(11.48,81.08) v1(11.48,80.48)
  Bottom w1.27: 51.33,83.62 50.17,83.62 50.05,83.49 50.05,83.37 ; 51.33,83.62 51.28,83.57 ; 51.33,83.62 v1(52.45,83.62) v1(57.45,83.62) 58.4,83.62 61,81.02 61,79.91 59.87,78.78 v1(59.87,75.59) v1(59.87,74.3) ; 72.91,106.99 72.91,107.11 73.03,107.24 74.19,107.24 ; v1(82.73,74.3) v1(82.73,75.59) 82.73,78.78 83.86,79.91 83.86,81.02 81.26,83.62 v1(80.31,83.62) v1(75.31,83.62) 74.19,83.62 ; 27.19,12.51 27.19,12.63 27.31,12.75 28.47,12.75 ; 97.05,36.37 95.89,36.37 95.77,36.25 95.77,36.13 ; 97.05,36.37 v1(98.17,36.37) v1(103.17,36.37) 104.12,36.37 106.72,33.78 106.72,32.67 105.59,31.54 v1(105.59,28.35) v1(105.59,27.05) ; 97.05,36.37 97,36.32 ; 74.19,59.99 74.14,59.95 ; 74.19,59.99 v1(75.31,59.99) v1(80.31,59.99) 81.26,59.99 83.86,57.4 83.86,56.29 82.73,55.16 v1(82.73,51.97) v1(82.73,50.67) ; 74.19,59.99 73.03,59.99 72.91,59.87 72.91,59.75 ; 74.19,36.37 73.03,36.37 72.91,36.25 72.91,36.13 ; 74.19,36.37 74.14,36.32 ; 74.19,36.37 v1(75.31,36.37) v1(80.31,36.37) 81.26,36.37 83.86,33.78 83.86,32.67 82.73,31.54 v1(82.73,28.35) v1(82.73,27.05) ; 5.61,36.37 5.56,36.32 ; 5.61,36.37 v1(6.73,36.37) v1(11.73,36.37) 12.68,36.37 15.28,33.78 15.28,32.67 14.15,31.54 v1(14.15,28.35) v1(14.15,27.05) ; 5.61,36.37 4.45,36.37 4.33,36.25 4.33,36.13 ; 28.47,12.75 v1(29.59,12.75) v1(34.59,12.75) 35.54,12.75 38.14,10.15 38.14,9.05 37.01,7.92 v1(37.01,4.72) v1(37.01,3.43) ; 28.47,12.75 28.42,12.7 ; 74.19,83.62 73.03,83.62 72.91,83.49 72.91,83.37 ; 74.19,83.62 74.14,83.57 ; 74.19,12.75 v1(75.31,12.75) v1(80.31,12.75) 81.26,12.75 83.86,10.15 83.86,9.05 82.73,7.92 v1(82.73,4.72) v1(82.73,3.43) ; 74.19,12.75 73.03,12.75 72.91,12.63 72.91,12.51 ; 74.19,12.75 74.14,12.7 ; 5.61,107.24 5.56,107.19 ; 5.61,107.24 v1(6.73,107.24) v1(11.73,107.24) 12.68,107.24 15.28,104.64 15.28,103.54 14.15,102.4 v1(14.15,99.21) v1(14.15,97.92) ; 5.61,107.24 4.45,107.24 4.33,107.11 4.33,106.99 ; 51.33,107.24 v1(52.45,107.24) v1(57.45,107.24) 58.4,107.24 61,104.64 61,103.54 59.87,102.4 v1(59.87,99.21) v1(59.87,97.92) ; 51.33,107.24 51.28,107.19 ; 51.33,107.24 50.17,107.24 50.05,107.11 50.05,106.99 ; 5.61,12.75 v1(6.73,12.75) v1(11.73,12.75) 12.68,12.75 15.28,10.15 15.28,9.05 14.15,7.92 v1(14.15,4.72) v1(14.15,3.43) ; 5.61,12.75 4.45,12.75 4.33,12.63 4.33,12.51 ; 5.61,12.75 5.56,12.7 ; v1(14.15,74.3) v1(14.15,75.59) 14.15,78.78 15.28,79.91 15.28,81.02 12.68,83.62 v1(11.73,83.62) v1(6.73,83.62) 5.61,83.62 ; 28.47,83.62 28.42,83.57 ; 28.47,83.62 v1(29.59,83.62) v1(34.59,83.62) 35.54,83.62 38.14,81.02 38.14,79.91 37.01,78.78 v1(37.01,75.59) v1(37.01,74.3) ; 28.47,83.62 27.31,83.62 27.19,83.49 27.19,83.37 ; v1(105.59,50.67) v1(105.59,51.97) 105.59,55.16 106.72,56.29 106.72,57.4 104.12,59.99 v1(103.17,59.99) v1(98.17,59.99) 97.05,59.99 ; 28.47,107.24 28.42,107.19 ; 28.47,107.24 27.31,107.24 27.19,107.11 27.19,106.99 ; 28.47,107.24 v1(29.59,107.24) v1(34.59,107.24) 35.54,107.24 38.14,104.64 38.14,103.54 37.01,102.4 v1(37.01,99.21) v1(37.01,97.92) ; 97.05,12.75 v1(98.17,12.75) v1(103.17,12.75) 104.12,12.75 106.72,10.15 106.72,9.05 105.59,7.92 v1(105.59,4.72) v1(105.59,3.43) ; 97.05,12.75 97,12.7 ; 97.05,12.75 95.89,12.75 95.77,12.63 95.77,12.51 ; 28.47,59.99 27.31,59.99 27.19,59.87 27.19,59.75 ; 28.47,59.99 v1(29.59,59.99) v1(34.59,59.99) 35.54,59.99 38.14,57.4 38.14,56.29 37.01,55.16 v1(37.01,51.97) v1(37.01,50.67) ; 28.47,59.99 28.42,59.95 ; v1(59.87,3.43) v1(59.87,4.72) 59.87,7.92 61,9.05 61,10.15 58.4,12.75 v1(57.45,12.75) v1(52.45,12.75) 51.33,12.75 ; 97.05,83.62 v1(98.17,83.62) v1(103.17,83.62) 104.12,83.62 106.72,81.02 106.72,79.91 105.59,78.78 v1(105.59,75.59) v1(105.59,74.3) ; 97.05,83.62 95.89,83.62 95.77,83.49 95.77,83.37 ; 97.05,83.62 97,83.57 ; 51.33,12.75 51.28,12.7 ; 51.33,12.75 50.17,12.75 50.05,12.63 50.05,12.51 ; 5.61,83.62 4.45,83.62 4.33,83.49 4.33,83.37 ; 5.61,83.62 5.56,83.57 ; v1(37.01,27.05) v1(37.01,28.35) 37.01,31.54 38.14,32.67 38.14,33.78 35.54,36.37 v1(34.59,36.37) v1(29.59,36.37) 28.47,36.37 ; 51.33,36.37 v1(52.45,36.37) v1(57.45,36.37) 58.4,36.37 61,33.78 61,32.67 59.87,31.54 v1(59.87,28.35) v1(59.87,27.05) ; 51.33,36.37 50.17,36.37 50.05,36.25 50.05,36.13 ; 51.33,36.37 51.28,36.32 ; 27.19,36.13 27.19,36.25 27.31,36.37 28.47,36.37 ; v1(14.15,50.67) v1(14.15,51.97) 14.15,55.16 15.28,56.29 15.28,57.4 12.68,59.99 v1(11.73,59.99) v1(6.73,59.99) 5.61,59.99 ; 5.61,59.99 5.56,59.95 ; 5.61,59.99 4.45,59.99 4.33,59.87 4.33,59.75 ; 51.33,59.99 50.17,59.99 50.05,59.87 50.05,59.75 ; 51.33,59.99 v1(52.45,59.99) v1(57.45,59.99) 58.4,59.99 61,57.4 61,56.29 59.87,55.16 v1(59.87,51.97) v1(59.87,50.67) ; 51.33,59.99 51.28,59.95 ; 95.77,106.99 95.77,107.11 95.89,107.24 97.05,107.24 ; 28.47,36.37 28.42,36.32 ; 97.05,107.24 v1(98.17,107.24) v1(103.17,107.24) 104.12,107.24 106.72,104.64 106.72,103.54 105.59,102.4 v1(105.59,99.21) v1(105.59,97.92) ; 97.05,107.24 97,107.19 ; 97.05,59.99 97,59.95 ; 97.05,59.99 95.89,59.99 95.77,59.87 95.77,59.75 ; 74.19,107.24 74.14,107.19 ; 74.19,107.24 v1(75.31,107.24) v1(80.31,107.24) 81.26,107.24 83.86,104.64 83.86,103.54 82.73,102.4 v1(82.73,99.21) v1(82.73,97.92)
